# KiCad board main_display_board.kicad_pcb
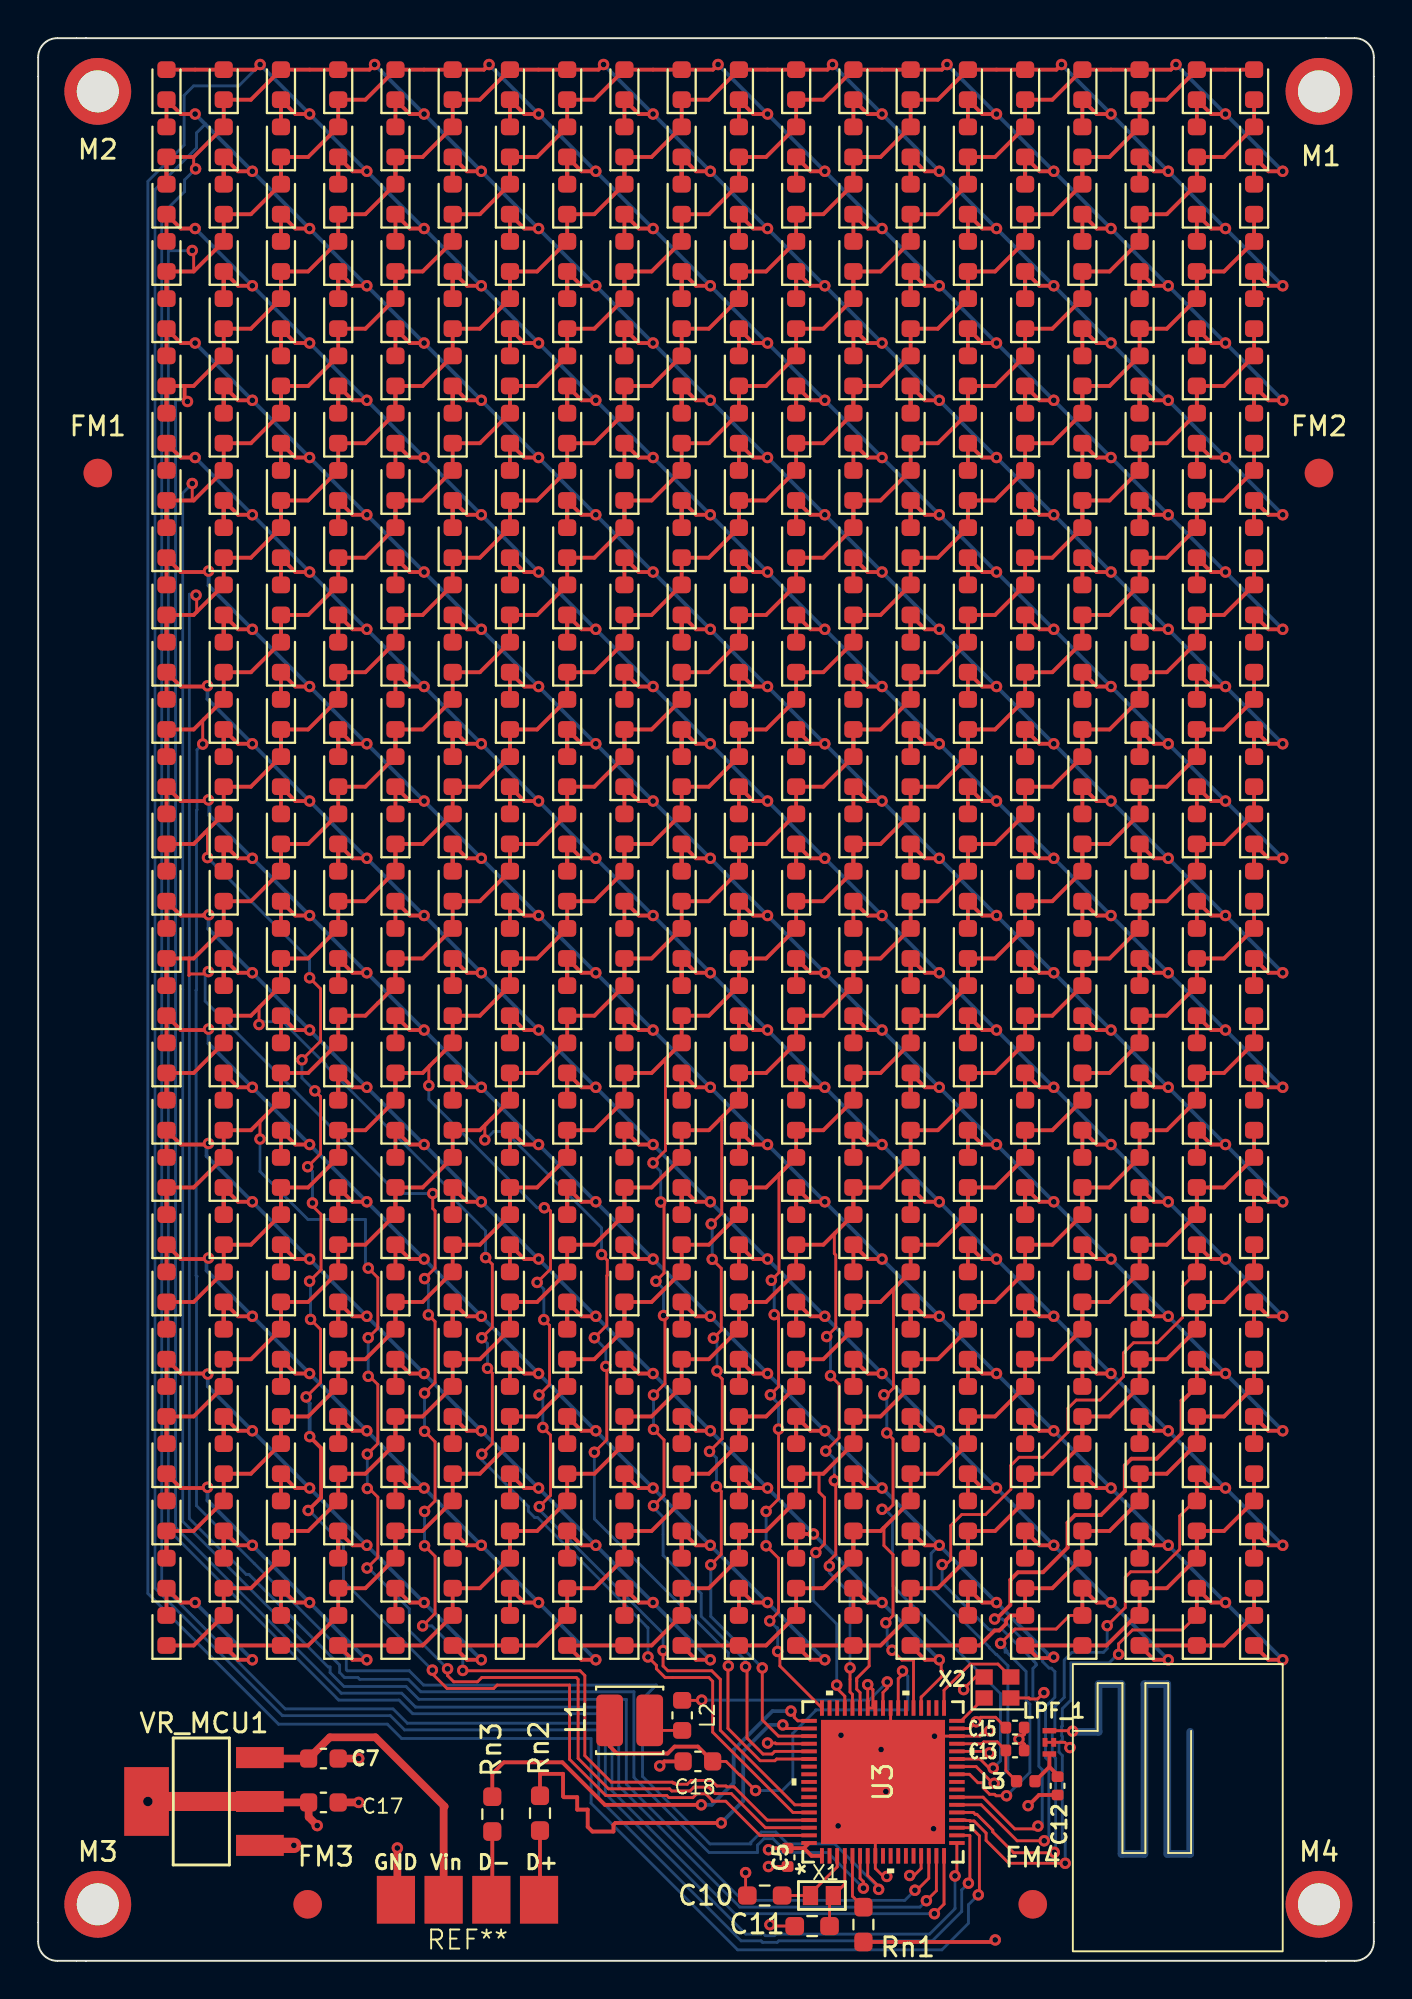
[diagram p0: board, top side]
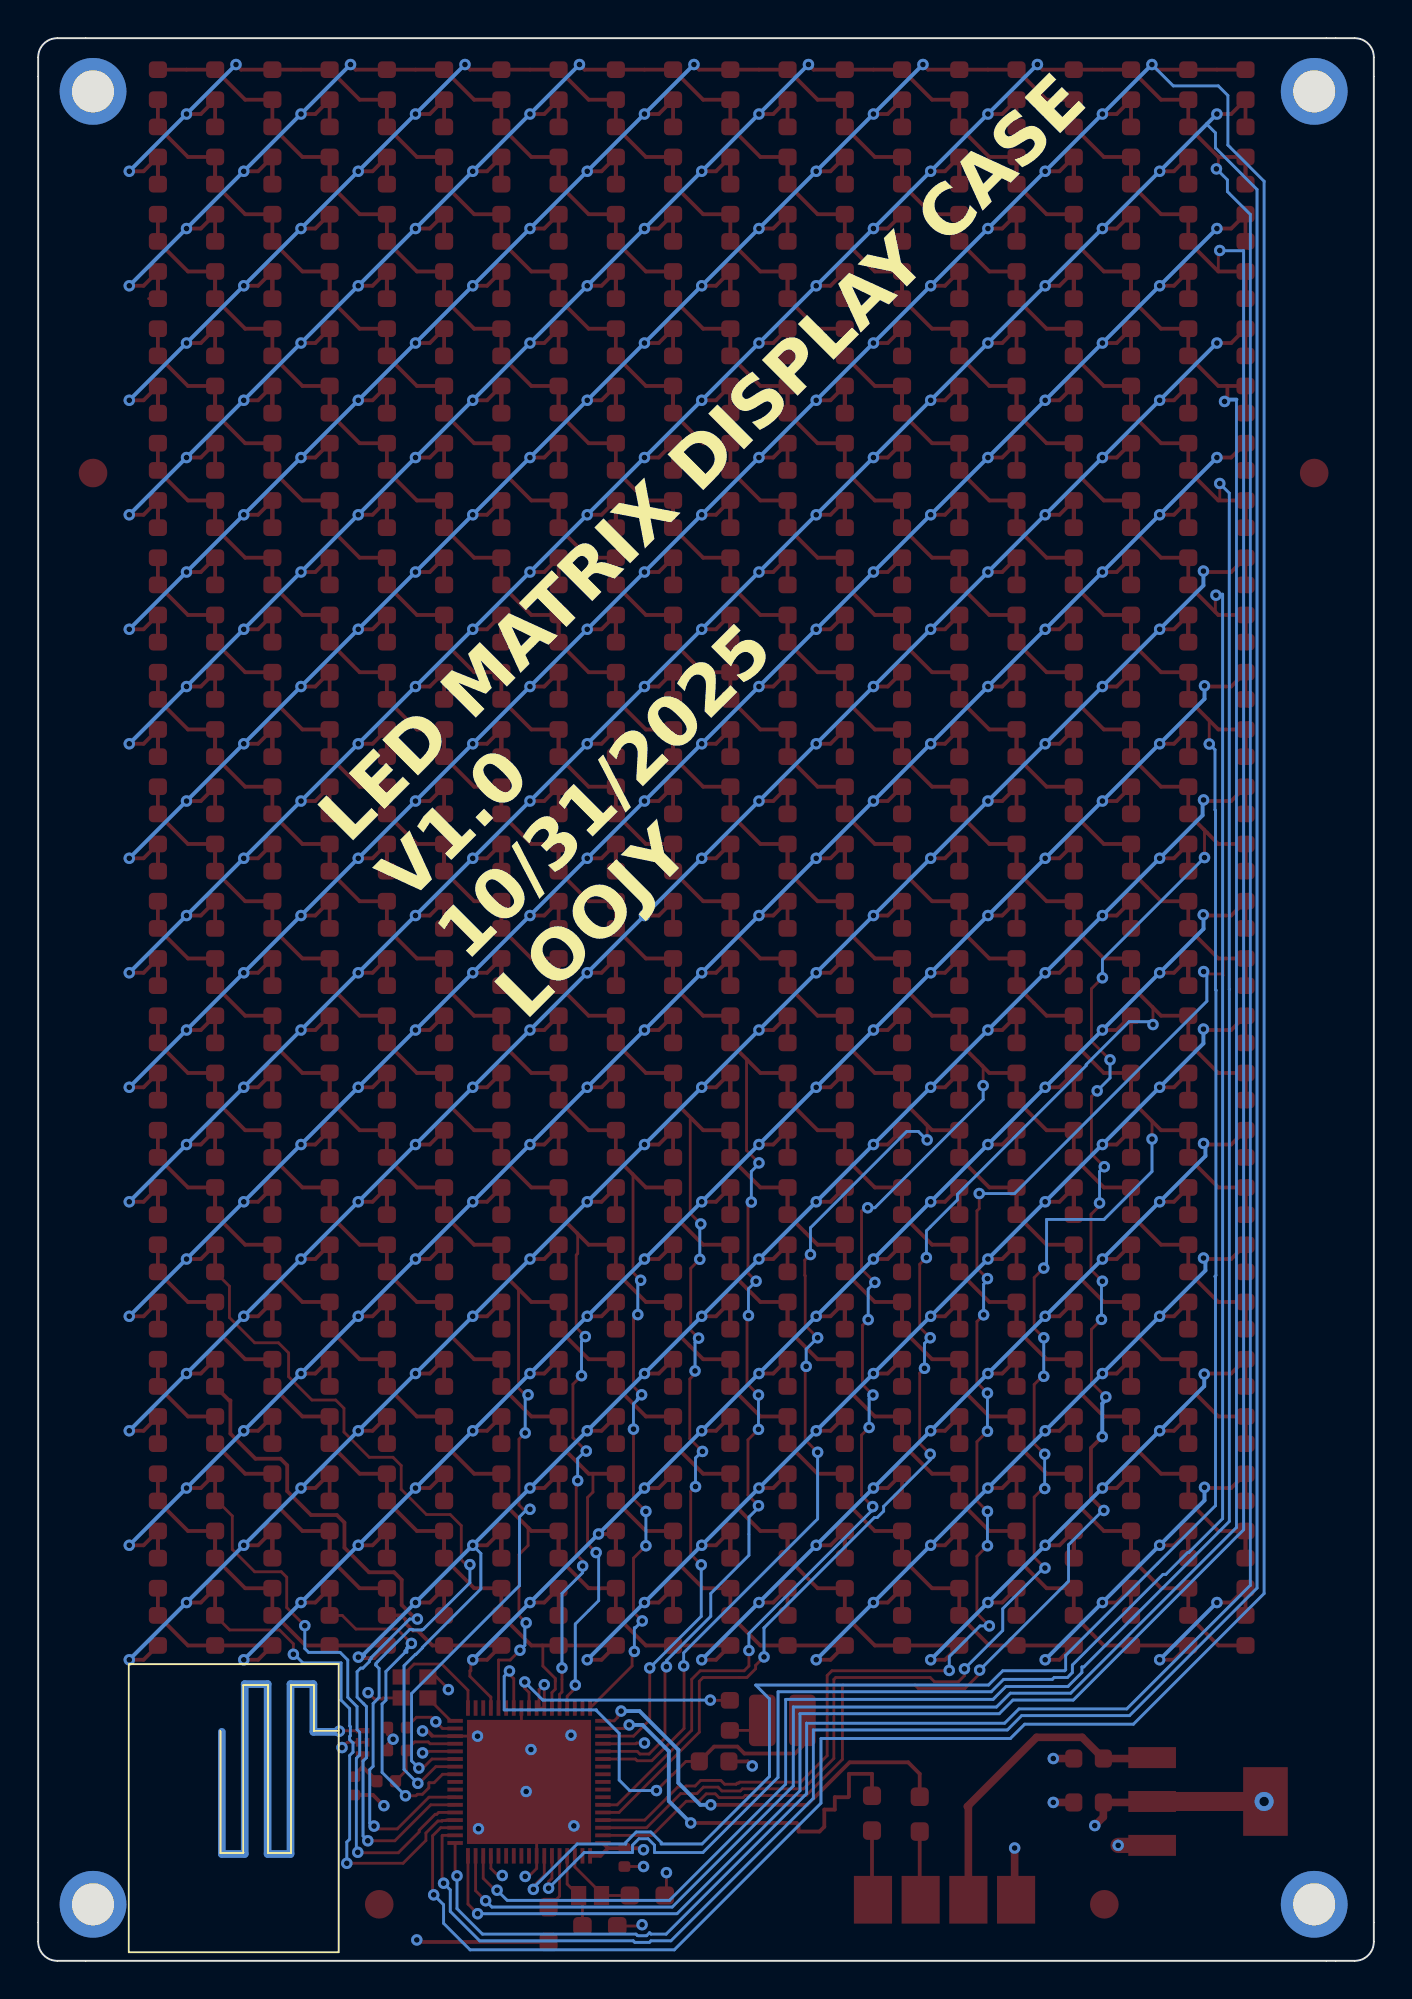
[diagram p1: board, bottom side, seen from below]

Outline 70 x 100.75 mm; copper layers: Top, In1.Cu, In2.Cu, Bottom. Coordinates in mm from the lower left corner of the outline.
Outline path: 0,99.75 arc(0.29,100.46) 1,100.75 69,100.75 arc(69.71,100.46) 70,99.75 70,1 arc(69.71,0.29) 69,0 1,0 arc(0.29,0.29) 0,1 0,99.75
Stack: Top 0.035mm / dielectric 0.1mm FR4 er 4.5 / In1.Cu 0.035mm / dielectric 1.24mm FR4 er 4.5 / In2.Cu 0.035mm / dielectric 0.1mm FR4 er 4.5 / Bottom 0.035mm

## Placement (name value [footprint] x y rotation side)
C5  100nF  [C_0402_1005Metric]  39.27 5.42 270 top
C7  4.7uF  [C_0603_1608Metric]  14.95 10.6 0 top
C10  0pF  [R_0603_1608Metric_Pad0.98x0.95mm_HandSolder]  38.07 3.42 180 top
C11  0pF  [R_0603_1608Metric_Pad0.98x0.95mm_HandSolder]  40.56 1.82 180 top
C12  0.3pF  [C_0402_1005Metric]  53.43 9.17 270 top
C13  0.8pF  [C_0402_1005Metric]  51.2 11.03 0 top
C15  100nF  [C_0402_1005Metric]  51.2 12.22 180 top
C17  4.7uF  [C_0603_1608Metric]  14.95 8.3 0 top
C18  4.7uF  [C_0603_1608Metric]  34.57 10.45 180 top
FM1  Fiducial  [Fiducial_1.5mm_Mask3mm]  3.12 77.96 0 top
FM2  Fiducial  [Fiducial_1.5mm_Mask3mm]  67.12 77.96 0 top
FM3  Fiducial  [Fiducial_1.5mm_Mask3mm]  14.12 2.96 0 top
FM4  Fiducial  [Fiducial_1.5mm_Mask3mm]  52.12 2.96 0 top
L1  10uH  [L_Cenker_CKCS3015]  31 12.6 180 top
L2  10nH  [L_0603_1608Metric]  33.75 12.86 270 top
L3  2.7nH  [L_0402_1005Metric]  51.76 9.41 0 top
LPF_1  DLF162500LT-5028A1 - Low Pass Filter  [LowPassFilter_DLF-4_1P6X0P8]  53 11.45 90 top
M1  MountingHole_Pad  [MountingHole_2.2mm_M2_ISO7380_Pad_TopBottom]  67.12 97.96 0 top
M2  MountingHole_Pad  [MountingHole_2.2mm_M2_ISO7380_Pad_TopBottom]  3.12 97.96 0 top
M3  MountingHole_Pad  [MountingHole_2.2mm_M2_ISO7380_Pad_TopBottom]  3.12 2.96 0 top
M4  MountingHole_Pad  [MountingHole_2.2mm_M2_ISO7380_Pad_TopBottom]  67.12 2.96 0 top
REF**  -  [exposed_4_pads]  22.5 3.2 0 top
REF**1  -  [D_0603_1608Metric]  6.73 95.31 90 top
REF**2  -  [D_0603_1608Metric]  9.73 95.31 90 top
REF**3  -  [D_0603_1608Metric]  6.73 98.31 90 top
REF**4  -  [D_0603_1608Metric]  9.73 98.31 90 top
REF**5  -  [D_0603_1608Metric]  12.73 95.31 90 top
REF**6  -  [D_0603_1608Metric]  15.73 95.31 90 top
REF**7  -  [D_0603_1608Metric]  12.73 98.31 90 top
REF**8  -  [D_0603_1608Metric]  15.73 98.31 90 top
REF**9  -  [D_0603_1608Metric]  18.73 95.31 90 top
REF**10  -  [D_0603_1608Metric]  21.73 95.31 90 top
REF**11  -  [D_0603_1608Metric]  18.73 98.31 90 top
REF**12  -  [D_0603_1608Metric]  21.73 98.31 90 top
REF**13  -  [D_0603_1608Metric]  24.73 95.31 90 top
REF**14  -  [D_0603_1608Metric]  27.73 95.31 90 top
REF**15  -  [D_0603_1608Metric]  24.73 98.31 90 top
REF**16  -  [D_0603_1608Metric]  27.73 98.31 90 top
REF**17  -  [D_0603_1608Metric]  30.73 95.31 90 top
REF**18  -  [D_0603_1608Metric]  33.73 95.31 90 top
REF**19  -  [D_0603_1608Metric]  30.73 98.31 90 top
REF**20  -  [D_0603_1608Metric]  33.73 98.31 90 top
REF**21  -  [D_0603_1608Metric]  36.73 95.31 90 top
REF**22  -  [D_0603_1608Metric]  39.73 95.31 90 top
REF**23  -  [D_0603_1608Metric]  36.73 98.31 90 top
REF**24  -  [D_0603_1608Metric]  39.73 98.31 90 top
REF**25  -  [D_0603_1608Metric]  42.73 95.31 90 top
REF**26  -  [D_0603_1608Metric]  45.73 95.31 90 top
REF**27  -  [D_0603_1608Metric]  42.73 98.31 90 top
REF**28  -  [D_0603_1608Metric]  45.73 98.31 90 top
REF**29  -  [D_0603_1608Metric]  48.73 95.31 90 top
REF**30  -  [D_0603_1608Metric]  51.73 95.31 90 top
REF**31  -  [D_0603_1608Metric]  48.73 98.31 90 top
REF**32  -  [D_0603_1608Metric]  51.73 98.31 90 top
REF**33  -  [D_0603_1608Metric]  54.73 95.31 90 top
REF**34  -  [D_0603_1608Metric]  57.73 95.31 90 top
REF**35  -  [D_0603_1608Metric]  54.73 98.31 90 top
REF**36  -  [D_0603_1608Metric]  57.73 98.31 90 top
REF**37  -  [D_0603_1608Metric]  60.73 95.31 90 top
REF**38  -  [D_0603_1608Metric]  63.73 95.31 90 top
REF**39  -  [D_0603_1608Metric]  60.73 98.31 90 top
REF**40  -  [D_0603_1608Metric]  63.73 98.31 90 top
REF**41  -  [D_0603_1608Metric]  6.73 89.31 90 top
REF**42  -  [D_0603_1608Metric]  9.73 89.31 90 top
REF**43  -  [D_0603_1608Metric]  6.73 92.31 90 top
REF**44  -  [D_0603_1608Metric]  9.73 92.31 90 top
REF**45  -  [D_0603_1608Metric]  12.73 89.31 90 top
REF**46  -  [D_0603_1608Metric]  15.73 89.31 90 top
REF**47  -  [D_0603_1608Metric]  12.73 92.31 90 top
REF**48  -  [D_0603_1608Metric]  15.73 92.31 90 top
REF**49  -  [D_0603_1608Metric]  18.73 89.31 90 top
REF**50  -  [D_0603_1608Metric]  21.73 89.31 90 top
REF**51  -  [D_0603_1608Metric]  18.73 92.31 90 top
REF**52  -  [D_0603_1608Metric]  21.73 92.31 90 top
REF**53  -  [D_0603_1608Metric]  24.73 89.31 90 top
REF**54  -  [D_0603_1608Metric]  27.73 89.31 90 top
REF**55  -  [D_0603_1608Metric]  24.73 92.31 90 top
REF**56  -  [D_0603_1608Metric]  27.73 92.31 90 top
REF**57  -  [D_0603_1608Metric]  30.73 89.31 90 top
REF**58  -  [D_0603_1608Metric]  33.73 89.31 90 top
REF**59  -  [D_0603_1608Metric]  30.73 92.31 90 top
REF**60  -  [D_0603_1608Metric]  33.73 92.31 90 top
REF**61  -  [D_0603_1608Metric]  36.73 89.31 90 top
REF**62  -  [D_0603_1608Metric]  39.73 89.31 90 top
REF**63  -  [D_0603_1608Metric]  36.73 92.31 90 top
REF**64  -  [D_0603_1608Metric]  39.73 92.31 90 top
REF**65  -  [D_0603_1608Metric]  42.73 89.31 90 top
REF**66  -  [D_0603_1608Metric]  45.73 89.31 90 top
REF**67  -  [D_0603_1608Metric]  42.73 92.31 90 top
REF**68  -  [D_0603_1608Metric]  45.73 92.31 90 top
REF**69  -  [D_0603_1608Metric]  48.73 89.31 90 top
REF**70  -  [D_0603_1608Metric]  51.73 89.31 90 top
REF**71  -  [D_0603_1608Metric]  48.73 92.31 90 top
REF**72  -  [D_0603_1608Metric]  51.73 92.31 90 top
REF**73  -  [D_0603_1608Metric]  54.73 89.31 90 top
REF**74  -  [D_0603_1608Metric]  57.73 89.31 90 top
REF**75  -  [D_0603_1608Metric]  54.73 92.31 90 top
REF**76  -  [D_0603_1608Metric]  57.73 92.31 90 top
REF**77  -  [D_0603_1608Metric]  60.73 89.31 90 top
REF**78  -  [D_0603_1608Metric]  63.73 89.31 90 top
REF**79  -  [D_0603_1608Metric]  60.73 92.31 90 top
REF**80  -  [D_0603_1608Metric]  63.73 92.31 90 top
REF**81  -  [D_0603_1608Metric]  6.73 83.31 90 top
REF**82  -  [D_0603_1608Metric]  9.73 83.31 90 top
REF**83  -  [D_0603_1608Metric]  6.73 86.31 90 top
REF**84  -  [D_0603_1608Metric]  9.73 86.31 90 top
REF**85  -  [D_0603_1608Metric]  12.73 83.31 90 top
REF**86  -  [D_0603_1608Metric]  15.73 83.31 90 top
REF**87  -  [D_0603_1608Metric]  12.73 86.31 90 top
REF**88  -  [D_0603_1608Metric]  15.73 86.31 90 top
REF**89  -  [D_0603_1608Metric]  18.73 83.31 90 top
REF**90  -  [D_0603_1608Metric]  21.73 83.31 90 top
REF**91  -  [D_0603_1608Metric]  18.73 86.31 90 top
REF**92  -  [D_0603_1608Metric]  21.73 86.31 90 top
REF**93  -  [D_0603_1608Metric]  24.73 83.31 90 top
REF**94  -  [D_0603_1608Metric]  27.73 83.31 90 top
REF**95  -  [D_0603_1608Metric]  24.73 86.31 90 top
REF**96  -  [D_0603_1608Metric]  27.73 86.31 90 top
REF**97  -  [D_0603_1608Metric]  30.73 83.31 90 top
REF**98  -  [D_0603_1608Metric]  33.73 83.31 90 top
REF**99  -  [D_0603_1608Metric]  30.73 86.31 90 top
REF**100  -  [D_0603_1608Metric]  33.73 86.31 90 top
REF**101  -  [D_0603_1608Metric]  36.73 83.31 90 top
REF**102  -  [D_0603_1608Metric]  39.73 83.31 90 top
REF**103  -  [D_0603_1608Metric]  36.73 86.31 90 top
REF**104  -  [D_0603_1608Metric]  39.73 86.31 90 top
REF**105  -  [D_0603_1608Metric]  42.73 83.31 90 top
REF**106  -  [D_0603_1608Metric]  45.73 83.31 90 top
REF**107  -  [D_0603_1608Metric]  42.73 86.31 90 top
REF**108  -  [D_0603_1608Metric]  45.73 86.31 90 top
REF**109  -  [D_0603_1608Metric]  48.73 83.31 90 top
REF**110  -  [D_0603_1608Metric]  51.73 83.31 90 top
REF**111  -  [D_0603_1608Metric]  48.73 86.31 90 top
REF**112  -  [D_0603_1608Metric]  51.73 86.31 90 top
REF**113  -  [D_0603_1608Metric]  54.73 83.31 90 top
REF**114  -  [D_0603_1608Metric]  57.73 83.31 90 top
REF**115  -  [D_0603_1608Metric]  54.73 86.31 90 top
REF**116  -  [D_0603_1608Metric]  57.73 86.31 90 top
REF**117  -  [D_0603_1608Metric]  60.73 83.31 90 top
REF**118  -  [D_0603_1608Metric]  63.73 83.31 90 top
REF**119  -  [D_0603_1608Metric]  60.73 86.31 90 top
REF**120  -  [D_0603_1608Metric]  63.73 86.31 90 top
REF**121  -  [D_0603_1608Metric]  6.73 77.31 90 top
REF**122  -  [D_0603_1608Metric]  9.73 77.31 90 top
REF**123  -  [D_0603_1608Metric]  6.73 80.31 90 top
REF**124  -  [D_0603_1608Metric]  9.73 80.31 90 top
REF**125  -  [D_0603_1608Metric]  12.73 77.31 90 top
REF**126  -  [D_0603_1608Metric]  15.73 77.31 90 top
REF**127  -  [D_0603_1608Metric]  12.73 80.31 90 top
REF**128  -  [D_0603_1608Metric]  15.73 80.31 90 top
REF**129  -  [D_0603_1608Metric]  18.73 77.31 90 top
REF**130  -  [D_0603_1608Metric]  21.73 77.31 90 top
REF**131  -  [D_0603_1608Metric]  18.73 80.31 90 top
REF**132  -  [D_0603_1608Metric]  21.73 80.31 90 top
REF**133  -  [D_0603_1608Metric]  24.73 77.31 90 top
REF**134  -  [D_0603_1608Metric]  27.73 77.31 90 top
REF**135  -  [D_0603_1608Metric]  24.73 80.31 90 top
REF**136  -  [D_0603_1608Metric]  27.73 80.31 90 top
REF**137  -  [D_0603_1608Metric]  30.73 77.31 90 top
REF**138  -  [D_0603_1608Metric]  33.73 77.31 90 top
REF**139  -  [D_0603_1608Metric]  30.73 80.31 90 top
REF**140  -  [D_0603_1608Metric]  33.73 80.31 90 top
REF**141  -  [D_0603_1608Metric]  36.73 77.31 90 top
REF**142  -  [D_0603_1608Metric]  39.73 77.31 90 top
REF**143  -  [D_0603_1608Metric]  36.73 80.31 90 top
REF**144  -  [D_0603_1608Metric]  39.73 80.31 90 top
REF**145  -  [D_0603_1608Metric]  42.73 77.31 90 top
REF**146  -  [D_0603_1608Metric]  45.73 77.31 90 top
REF**147  -  [D_0603_1608Metric]  42.73 80.31 90 top
REF**148  -  [D_0603_1608Metric]  45.73 80.31 90 top
REF**149  -  [D_0603_1608Metric]  48.73 77.31 90 top
REF**150  -  [D_0603_1608Metric]  51.73 77.31 90 top
REF**151  -  [D_0603_1608Metric]  48.73 80.31 90 top
REF**152  -  [D_0603_1608Metric]  51.73 80.31 90 top
REF**153  -  [D_0603_1608Metric]  54.73 77.31 90 top
REF**154  -  [D_0603_1608Metric]  57.73 77.31 90 top
REF**155  -  [D_0603_1608Metric]  54.73 80.31 90 top
REF**156  -  [D_0603_1608Metric]  57.73 80.31 90 top
REF**157  -  [D_0603_1608Metric]  60.73 77.31 90 top
REF**158  -  [D_0603_1608Metric]  63.73 77.31 90 top
REF**159  -  [D_0603_1608Metric]  60.73 80.31 90 top
REF**160  -  [D_0603_1608Metric]  63.73 80.31 90 top
REF**161  -  [D_0603_1608Metric]  6.73 71.31 90 top
REF**162  -  [D_0603_1608Metric]  9.73 71.31 90 top
REF**163  -  [D_0603_1608Metric]  6.73 74.31 90 top
REF**164  -  [D_0603_1608Metric]  9.73 74.31 90 top
REF**165  -  [D_0603_1608Metric]  12.73 71.31 90 top
REF**166  -  [D_0603_1608Metric]  15.73 71.31 90 top
REF**167  -  [D_0603_1608Metric]  12.73 74.31 90 top
REF**168  -  [D_0603_1608Metric]  15.73 74.31 90 top
REF**169  -  [D_0603_1608Metric]  18.73 71.31 90 top
REF**170  -  [D_0603_1608Metric]  21.73 71.31 90 top
REF**171  -  [D_0603_1608Metric]  18.73 74.31 90 top
REF**172  -  [D_0603_1608Metric]  21.73 74.31 90 top
REF**173  -  [D_0603_1608Metric]  24.73 71.31 90 top
REF**174  -  [D_0603_1608Metric]  27.73 71.31 90 top
REF**175  -  [D_0603_1608Metric]  24.73 74.31 90 top
REF**176  -  [D_0603_1608Metric]  27.73 74.31 90 top
REF**177  -  [D_0603_1608Metric]  30.73 71.31 90 top
REF**178  -  [D_0603_1608Metric]  33.73 71.31 90 top
REF**179  -  [D_0603_1608Metric]  30.73 74.31 90 top
REF**180  -  [D_0603_1608Metric]  33.73 74.31 90 top
REF**181  -  [D_0603_1608Metric]  36.73 71.31 90 top
REF**182  -  [D_0603_1608Metric]  39.73 71.31 90 top
REF**183  -  [D_0603_1608Metric]  36.73 74.31 90 top
REF**184  -  [D_0603_1608Metric]  39.73 74.31 90 top
REF**185  -  [D_0603_1608Metric]  42.73 71.31 90 top
REF**186  -  [D_0603_1608Metric]  45.73 71.31 90 top
REF**187  -  [D_0603_1608Metric]  42.73 74.31 90 top
REF**188  -  [D_0603_1608Metric]  45.73 74.31 90 top
REF**189  -  [D_0603_1608Metric]  48.73 71.31 90 top
REF**190  -  [D_0603_1608Metric]  51.73 71.31 90 top
REF**191  -  [D_0603_1608Metric]  48.73 74.31 90 top
REF**192  -  [D_0603_1608Metric]  51.73 74.31 90 top
REF**193  -  [D_0603_1608Metric]  54.73 71.31 90 top
REF**194  -  [D_0603_1608Metric]  57.73 71.31 90 top
REF**195  -  [D_0603_1608Metric]  54.73 74.31 90 top
REF**196  -  [D_0603_1608Metric]  57.73 74.31 90 top
REF**197  -  [D_0603_1608Metric]  60.73 71.31 90 top
REF**198  -  [D_0603_1608Metric]  63.73 71.31 90 top
REF**199  -  [D_0603_1608Metric]  60.73 74.31 90 top
REF**200  -  [D_0603_1608Metric]  63.73 74.31 90 top
REF**201  -  [D_0603_1608Metric]  6.73 65.31 90 top
REF**202  -  [D_0603_1608Metric]  9.73 65.31 90 top
REF**203  -  [D_0603_1608Metric]  6.73 68.31 90 top
REF**204  -  [D_0603_1608Metric]  9.73 68.31 90 top
REF**205  -  [D_0603_1608Metric]  12.73 65.31 90 top
REF**206  -  [D_0603_1608Metric]  15.73 65.31 90 top
REF**207  -  [D_0603_1608Metric]  12.73 68.31 90 top
REF**208  -  [D_0603_1608Metric]  15.73 68.31 90 top
REF**209  -  [D_0603_1608Metric]  18.73 65.31 90 top
REF**210  -  [D_0603_1608Metric]  21.73 65.31 90 top
REF**211  -  [D_0603_1608Metric]  18.73 68.31 90 top
REF**212  -  [D_0603_1608Metric]  21.73 68.31 90 top
REF**213  -  [D_0603_1608Metric]  24.73 65.31 90 top
REF**214  -  [D_0603_1608Metric]  27.73 65.31 90 top
REF**215  -  [D_0603_1608Metric]  24.73 68.31 90 top
REF**216  -  [D_0603_1608Metric]  27.73 68.31 90 top
REF**217  -  [D_0603_1608Metric]  30.73 65.31 90 top
REF**218  -  [D_0603_1608Metric]  33.73 65.31 90 top
REF**219  -  [D_0603_1608Metric]  30.73 68.31 90 top
REF**220  -  [D_0603_1608Metric]  33.73 68.31 90 top
REF**221  -  [D_0603_1608Metric]  36.73 65.31 90 top
REF**222  -  [D_0603_1608Metric]  39.73 65.31 90 top
REF**223  -  [D_0603_1608Metric]  36.73 68.31 90 top
REF**224  -  [D_0603_1608Metric]  39.73 68.31 90 top
REF**225  -  [D_0603_1608Metric]  42.73 65.31 90 top
REF**226  -  [D_0603_1608Metric]  45.73 65.31 90 top
REF**227  -  [D_0603_1608Metric]  42.73 68.31 90 top
REF**228  -  [D_0603_1608Metric]  45.73 68.31 90 top
REF**229  -  [D_0603_1608Metric]  48.73 65.31 90 top
REF**230  -  [D_0603_1608Metric]  51.73 65.31 90 top
REF**231  -  [D_0603_1608Metric]  48.73 68.31 90 top
REF**232  -  [D_0603_1608Metric]  51.73 68.31 90 top
REF**233  -  [D_0603_1608Metric]  54.73 65.31 90 top
REF**234  -  [D_0603_1608Metric]  57.73 65.31 90 top
REF**235  -  [D_0603_1608Metric]  54.73 68.31 90 top
REF**236  -  [D_0603_1608Metric]  57.73 68.31 90 top
REF**237  -  [D_0603_1608Metric]  60.73 65.31 90 top
REF**238  -  [D_0603_1608Metric]  63.73 65.31 90 top
REF**239  -  [D_0603_1608Metric]  60.73 68.31 90 top
REF**240  -  [D_0603_1608Metric]  63.73 68.31 90 top
REF**241  -  [D_0603_1608Metric]  6.73 59.31 90 top
REF**242  -  [D_0603_1608Metric]  9.73 59.31 90 top
REF**243  -  [D_0603_1608Metric]  6.73 62.31 90 top
REF**244  -  [D_0603_1608Metric]  9.73 62.31 90 top
REF**245  -  [D_0603_1608Metric]  12.73 59.31 90 top
REF**246  -  [D_0603_1608Metric]  15.73 59.31 90 top
REF**247  -  [D_0603_1608Metric]  12.73 62.31 90 top
REF**248  -  [D_0603_1608Metric]  15.73 62.31 90 top
REF**249  -  [D_0603_1608Metric]  18.73 59.31 90 top
REF**250  -  [D_0603_1608Metric]  21.73 59.31 90 top
REF**251  -  [D_0603_1608Metric]  18.73 62.31 90 top
REF**252  -  [D_0603_1608Metric]  21.73 62.31 90 top
REF**253  -  [D_0603_1608Metric]  24.73 59.31 90 top
REF**254  -  [D_0603_1608Metric]  27.73 59.31 90 top
REF**255  -  [D_0603_1608Metric]  24.73 62.31 90 top
REF**256  -  [D_0603_1608Metric]  27.73 62.31 90 top
REF**257  -  [D_0603_1608Metric]  30.73 59.31 90 top
REF**258  -  [D_0603_1608Metric]  33.73 59.31 90 top
REF**259  -  [D_0603_1608Metric]  30.73 62.31 90 top
REF**260  -  [D_0603_1608Metric]  33.73 62.31 90 top
REF**261  -  [D_0603_1608Metric]  36.73 59.31 90 top
REF**262  -  [D_0603_1608Metric]  39.73 59.31 90 top
REF**263  -  [D_0603_1608Metric]  36.73 62.31 90 top
REF**264  -  [D_0603_1608Metric]  39.73 62.31 90 top
REF**265  -  [D_0603_1608Metric]  42.73 59.31 90 top
REF**266  -  [D_0603_1608Metric]  45.73 59.31 90 top
REF**267  -  [D_0603_1608Metric]  42.73 62.31 90 top
REF**268  -  [D_0603_1608Metric]  45.73 62.31 90 top
REF**269  -  [D_0603_1608Metric]  48.73 59.31 90 top
REF**270  -  [D_0603_1608Metric]  51.73 59.31 90 top
REF**271  -  [D_0603_1608Metric]  48.73 62.31 90 top
REF**272  -  [D_0603_1608Metric]  51.73 62.31 90 top
REF**273  -  [D_0603_1608Metric]  54.73 59.31 90 top
REF**274  -  [D_0603_1608Metric]  57.73 59.31 90 top
REF**275  -  [D_0603_1608Metric]  54.73 62.31 90 top
REF**276  -  [D_0603_1608Metric]  57.73 62.31 90 top
REF**277  -  [D_0603_1608Metric]  60.73 59.31 90 top
REF**278  -  [D_0603_1608Metric]  63.73 59.31 90 top
REF**279  -  [D_0603_1608Metric]  60.73 62.31 90 top
REF**280  -  [D_0603_1608Metric]  63.73 62.31 90 top
REF**281  -  [D_0603_1608Metric]  6.73 53.31 90 top
REF**282  -  [D_0603_1608Metric]  9.73 53.31 90 top
REF**283  -  [D_0603_1608Metric]  6.73 56.31 90 top
REF**284  -  [D_0603_1608Metric]  9.73 56.31 90 top
REF**285  -  [D_0603_1608Metric]  12.73 53.31 90 top
REF**286  -  [D_0603_1608Metric]  15.73 53.31 90 top
REF**287  -  [D_0603_1608Metric]  12.73 56.31 90 top
REF**288  -  [D_0603_1608Metric]  15.73 56.31 90 top
REF**289  -  [D_0603_1608Metric]  18.73 53.31 90 top
REF**290  -  [D_0603_1608Metric]  21.73 53.31 90 top
REF**291  -  [D_0603_1608Metric]  18.73 56.31 90 top
REF**292  -  [D_0603_1608Metric]  21.73 56.31 90 top
REF**293  -  [D_0603_1608Metric]  24.73 53.31 90 top
REF**294  -  [D_0603_1608Metric]  27.73 53.31 90 top
REF**295  -  [D_0603_1608Metric]  24.73 56.31 90 top
REF**296  -  [D_0603_1608Metric]  27.73 56.31 90 top
REF**297  -  [D_0603_1608Metric]  30.73 53.31 90 top
REF**298  -  [D_0603_1608Metric]  33.73 53.31 90 top
REF**299  -  [D_0603_1608Metric]  30.73 56.31 90 top
REF**300  -  [D_0603_1608Metric]  33.73 56.31 90 top
REF**301  -  [D_0603_1608Metric]  36.73 53.31 90 top
REF**302  -  [D_0603_1608Metric]  39.73 53.31 90 top
REF**303  -  [D_0603_1608Metric]  36.73 56.31 90 top
REF**304  -  [D_0603_1608Metric]  39.73 56.31 90 top
REF**305  -  [D_0603_1608Metric]  42.73 53.31 90 top
REF**306  -  [D_0603_1608Metric]  45.73 53.31 90 top
REF**307  -  [D_0603_1608Metric]  42.73 56.31 90 top
REF**308  -  [D_0603_1608Metric]  45.73 56.31 90 top
REF**309  -  [D_0603_1608Metric]  48.73 53.31 90 top
REF**310  -  [D_0603_1608Metric]  51.73 53.31 90 top
REF**311  -  [D_0603_1608Metric]  48.73 56.31 90 top
REF**312  -  [D_0603_1608Metric]  51.73 56.31 90 top
REF**313  -  [D_0603_1608Metric]  54.73 53.31 90 top
REF**314  -  [D_0603_1608Metric]  57.73 53.31 90 top
REF**315  -  [D_0603_1608Metric]  54.73 56.31 90 top
REF**316  -  [D_0603_1608Metric]  57.73 56.31 90 top
REF**317  -  [D_0603_1608Metric]  60.73 53.31 90 top
REF**318  -  [D_0603_1608Metric]  63.73 53.31 90 top
REF**319  -  [D_0603_1608Metric]  60.73 56.31 90 top
REF**320  -  [D_0603_1608Metric]  63.73 56.31 90 top
REF**321  -  [D_0603_1608Metric]  6.73 47.31 90 top
REF**322  -  [D_0603_1608Metric]  9.73 47.31 90 top
REF**323  -  [D_0603_1608Metric]  6.73 50.31 90 top
REF**324  -  [D_0603_1608Metric]  9.73 50.31 90 top
REF**325  -  [D_0603_1608Metric]  12.73 47.31 90 top
REF**326  -  [D_0603_1608Metric]  15.73 47.31 90 top
REF**327  -  [D_0603_1608Metric]  12.73 50.31 90 top